# Altium PCB bms_mainboard-1_0.PcbDoc (part 4 of 7) (continued)
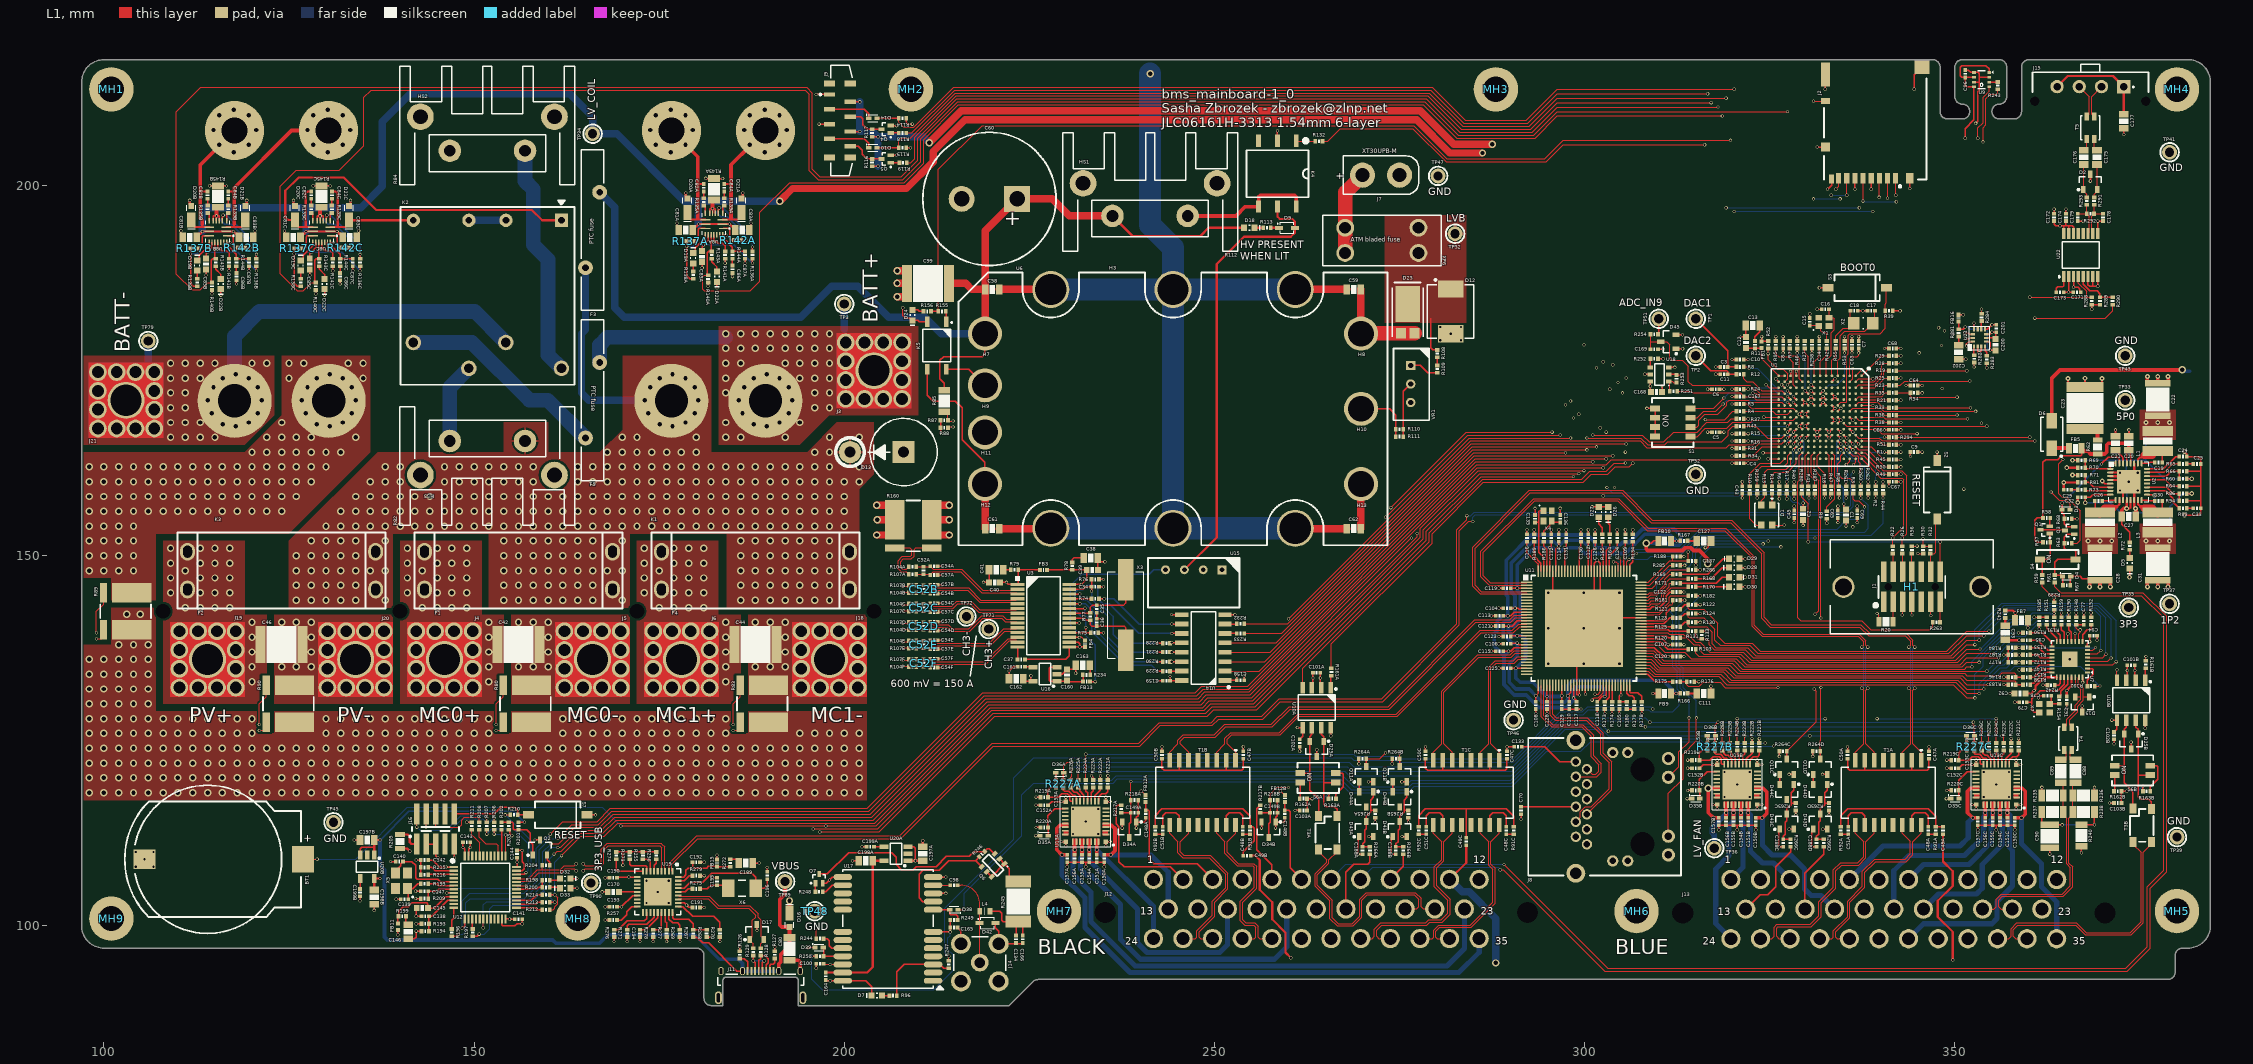
[diagram p0: L1 view]
## Nets (pads, with @x,y where several pads share a name; then routed paths per layer and width w, separated by ;. In a path a pad name is that pad's centre, name@x,y a point inside that pad or via, vN(x,y) a via of type N, cw(c..) or ccw(c..) an arc to the next point about the centre after c; other vN are vias at no path point) (continued)
  L1 w0.203: v1(329.5,154.1) C2.2@329.5,154.85
  L1 w0.3: v1(111.6,198) 111.6,197.45 D20B.2@111.8,197.25 ; D21B.2@119.1,197.25 119.3,197.45 v1(119.3,198) ; v1(125.6,198) 125.6,197.45 D20C.2@125.8,197.25 ; D21C.2@133.1,197.25 133.3,197.45 v1(133.3,198) ; v1(133.8,111.6) C197B.2@134.6,111.6 ; v1(178.6,199) 178.6,198.45 D20A.2@178.8,198.25 ; D21A.2@186.1,198.25 186.3,198.45 v1(186.3,199) ; C197A.2@210.6,110.7 v1(210.6,111.5) ; C153A.2@228.6,119.7 D36A.1@228.6,120.65 ; C153B.2@316.6,124.7 v1(316.6,125.175) ; v1(317.048,132.389) 317.05,132.388 C111.2@317.05,131.4 ; C153C.2@351.6,124.7 v1(351.6,125.175) ; C93.2@356.8,138.65 356.85,138.6 v1(358.7,138.6) ; R239.2@363.4,143.7 v1(363.4,144.3) ; C29.2@364.7,158.9 v3(364.7,159.9) R81.1@366.6,159.9 ; v3(365.1,161.9) R70.1@366.6,161.9 ; C23.2@365.275,172.775 v3(365.275,173.95) ; v3(366.6,157.2) C32.2@366.6,157.9 ; C23.2@367.575,172.8 v3(367.575,173.975) ; v1(368.3,200.6) D2.3@368.3,201.525 ; C23.2@369.875,172.775 v3(369.875,173.95) ; U2.4@371,160.25 U2.EP@372.083,160.25 ; U2.3@371,160.75 U2.EP@372.083,160.75 ; U2.2@371,161.25 U2.EP@372.083,161.25 ; C21.2@371.7,166.15 v1(371.7,167) ; U2.11@372.725,157.525 U2.EP@372.725,158.608 ; C20.2@373.5,166.15 v1(373.5,167) ; U2.EP@374.225,158.608 U2.14@374.225,157.525 374.225,156.681 374.4,156.506 v3(374.4,156.4) ; U2.EP@374.225,161.411 U2.27@374.225,162.475
  L1 w0.5: C80.2@192.6,95.35 193.85,95.35 194.05,95.15 J11.GND@194.05,93.9 ; v3(368.2,145.8) C28.2@368.2,146.7 ; v3(369.6,145.8) C28.2@369.6,146.7 ; v3(371,145.8) C28.2@371,146.7 ; v3(374.4,156.4) 374.45,156.35 C27.2@374.45,155.3 ; v3(376,145.8) C31.2@376,146.7 ; C22.2@376,173.3 v3(376,174.2) ; v3(377.4,145.8) C31.2@377.4,146.7 ; C22.2@377.4,173.3 v3(377.4,174.2) ; v3(378.8,145.8) C31.2@378.8,146.7 ; C22.2@378.8,173.3 v3(378.8,174.2)
  L1 w1: C62.2@269.75,153.669 269.75,159.63 H13.1@269.8,159.68
  other v1: 173.3,103.1 176.3,103.1 174.8,104.6 173.3,106.1 176.3,106.1 104.3,108 106.7,108 105.5,109 104.3,110 106.7,110 368.85,118.718 228.6,120.175 280.5,179.1 283.3,179.1 281.9,179.975 280.5,180.9 283.3,180.9
  other v3: 372.3,158.8 374.7,158.8 373.475,160 372.3,161.2 374.7,161.2
  other v4: 295.1,135.4 299.9,135.4 304.7,135.4 365.5,136 295.1,140.2 299.9,140.2 304.7,140.2 295.1,145 299.9,145 304.7,145
GNSS_nRST_1: D38.2 R259.1 | length 159.9
  L1 w0.15: D38.2@215.35,102.2 v1(216.2,102.2) ; v1(323.3,157.8) R259.1@323.3,158.4
  L3 w0.15: v1(323.3,157.8) 323.3,126.7 324.4,125.6 v1(324.4,124.7)
  L6 w0.15: v1(216.2,102.2) 216.2,104.4 224,112.2 224,117.7 225.6,119.3 236.3,119.3 236.9,119.9 267,119.9 268.5,118.4 275.9,118.4 276.8,119.3 290.1,119.3 297.4,126.6 301.7,126.6 303,125.3 315.5,125.3 316.1,124.7 v1(324.4,124.7)
GNSS_RF: C98.1 U17.11 | length 2.3
  L1 w0.156: U17.11@212,105.5 C98.1@214.3,105.5
GNSS_RF_BIASED: C98.2 D42.2 J14.1 L4.2 | length 12.4
  L1 w0.156: C98.2@215.3,105.5 215.76,105.5 cw(c215.76,102.96) 218.3,102.96 J14.1@218.3,95.05
HIGHSIDE_CONTACTOR_1: R15.1 R140A.2 R143A.1 U8A.15 | length 211.3
  L1 w0.15: R140A.2@181.6,187.9 181.1,187.9 180.9,187.7 180.9,186 181.1,185.8 187.3,185.8 188.6,187.1 188.6,196.4 192.6,200.4 208.1,200.4 210.7,203 210.7,206.2 215.4,210.9 278.2,210.9 282.7,206.4 293.3,206.4 296.3,209.4 v1@318.7,209.4 ; v1(319.9,166.5) R15.1@320.5,166.5
  L1 w0.2: R140A.2@181.6,187.9 181.476,188.024 181.476,190.903 181.673,191.1 R143A.1@182.1,191.1 182,191.2 U8A.15@182,193.35
  L3 w0.15: v1(318.6,209.4) 318.6,196.6 319.2,196 319.2,167.2 v1(319.9,166.5)
HV_3_P: D13.2 F1.1 F2.1 F3.1 F4.1 K1.3 R82.2 | length 29.7
  L6 w1: F3.1@165.05,188.9 165.05,180.55 164.5,180 164.5,172 165.5,171 176.581,171 K1.3@176.65,170.931
  other v2: 126,144 128,144 130,144 132,144 134,144 138,144 154,144 156,144 158,144 160,144 162,144 164,144 166,144 170,144 186,144 188,144 190,144 192,144 194,144 196,144 198,144 126,146 128,146 130,146 132,146 134,146 154,146 156,146 158,146 160,146 162,146 164,146 166,146 186,146 188,146 190,146 192,146 194,146 196,146 198,146 126,148 128,148 130,148 132,148 134,148 136,148 138,148 154,148 156,148 158,148 160,148 162,148 164,148 166,148 168,148 170,148 186,148 188,148 190,148 192,148 194,148 196,148 198,148 200,148 126,150 128,150 130,150 132,150 134,150 154,150 156,150 158,150 160,150 162,150 164,150 166,150 186,150 188,150 190,150 192,150 194,150 196,150 198,150 128,152 130,152 132,152 134,152 138,152 154,152 156,152 158,152 160,152 162,152 164,152 166,152 170,152 186,152 188,152 190,152 192,152 194,152 196,152 198,152 130,154 132,154 134,154 136,154 138,154 140,154 142,154 144,154 146,154 148,154 150,154 152,154 154,154 156,154 158,154 160,154 162,154 164,154 166,154 168,154 170,154 172,154 174,154 176,154 178,154 180,154 182,154 184,154 186,154 188,154 190,154 192,154 194,154 196,154 198,154 200,154 132,156 134,156 136,156 138,156 140,156 142,156 144,156 146,156 148,156 150,156 152,156 154,156 156,156 158,156 160,156 162,156 164,156 166,156 168,156 170,156 172,156 174,156 176,156 178,156 180,156 182,156 184,156 186,156 188,156 190,156 192,156 194,156 196,156 198,156 200,156 134,158 136,158 138,158 140,158 142,158 144,158 146,158 148,158 150,158 152,158 154,158 156,158 158,158 160,158 162,158 164,158 166,158 168,158 170,158 172,158 174,158 176,158 178,158 180,158 182,158 184,158 186,158 188,158 190,158 192,158 194,158 196,158 198,158 200,158 136,160 138,160 140,160 146,160 148,160 150,160 152,160 154,160 156,160 158,160 164,160 166,160 168,160 170,160 172,160 174,160 176,160 178,160 180,160 182,160 184,160 186,160 188,160 190,160 192,160 194,160 196,160 198,160 200,160 202,160 138,162 140,162 146,162 148,162 150,162 152,162 154,162 156,162 158,162 164,162 166,162 168,162 170,162 172,162 174,162 176,162 178,162 180,162 182,162 184,162 186,162 188,162 190,162 192,162 194,162 196,162 198,162 202,162 168,164 170,164 172,164 174,164 176,164 178,164 180,164 196,164 198,164 170,166 172,166 180,166 198,166 202,166
HV_ARRAY_3_N: C46.2 J20.0 R90.1
  other v2: 124,135 126,135 128,135 124,137 128,137 124,139 128,139 124,141 126,141 128,141
HV_ARRAY_3_P: C46.1 F2.2 J19.0
  other v2: 120,133 120,135 120,137 120,139 120,141 111,143 113,143 115,143 117,143 109,145 113,145 115,145 117,145 109,147 113,147 115,147 117,147 111,148 109,149 113,149 115,149 117,149 109,151 113,151 115,151 117,151
HV_DCDC_EN_1: R5.1 R155.2 R156.1 | length 169.2
  L1 w0.15: R155.2@212.7,183 212.7,202.2 218.6,208.1 276.9,208.1 281.4,203.6 294.6,203.6 297.1,206.1 v1(319.7,206.1) ; v1(319.9,170.5) R5.1@320.5,170.5
  L1 w0.203: R156.1@211.7,183 R155.2@212.7,183
  L3 w0.15: v1(319.7,206.1) 319.7,177.4 320.3,176.8 320.3,170.9 v1(319.9,170.5)
HV_MC0_3_N: C42.2 J5.0 R80.1
  other v2: 156,135 158,135 160,135 156,137 160,137 156,139 160,139 156,141 158,141 160,141
HV_MC0_3_P: C42.1 F1.2 J4.0
  other v2: 152,133 152,135 152,137 152,139 152,141 143,143 145,143 147,143 149,143 141,145 145,145 147,145 149,145 141,147 145,147 147,147 149,147 143,148 141,149 145,149 147,149 149,149 141,151 145,151 147,151 149,151
HV_MC1_3_N: C44.2 J18.0 R83.1
  other v2: 188,135 190,135 192,135 188,137 192,137 188,139 192,139 188,141 190,141 192,141
HV_MC1_3_P: C44.1 F4.2 J6.0
  other v2: 184,133 184,135 184,137 184,139 184,141 175,143 177,143 179,143 181,143 173,145 177,145 179,145 181,145 173,147 177,147 179,147 181,147 175,148 173,149 177,149 179,149 181,149 173,151 177,151 179,151 181,151
HV_MEAS_3: K3.4 R89.1
  other v2: 98,148 100,148 102,148 104,148 98,150 100,150 102,150 104,150 98,152 100,152 102,152 104,152 98,154 100,154 102,154 104,154 98,156 100,156 102,156 104,156 106,156 108,156 110,156 112,156 114,156 116,156 118,156 120,156 122,156 124,156 98,158 100,158 102,158 104,158 106,158 108,158 110,158 112,158 114,158 116,158 118,158 120,158 122,158 124,158 126,158 98,160 100,160 102,160 104,160 106,160 108,160 110,160 112,160 114,160 116,160 118,160 120,160 122,160 124,160 126,160 128,160 98,162 100,162 102,162 104,162 106,162 108,162 110,162 112,162 114,162 116,162 118,162 120,162 122,162 124,162 126,162 128,162 130,162 120,164 122,164 124,164 126,164 128,164 130,164 132,164 122,166 124,166 126,166 128,166 134,166 124,168 125,174 135,174 125,176 127,176 133,176 135,176
HV_N: C34.2 C35.2 C36.2 C38.2 C39.2 C159.2 C160.2 C161.2 C162.2 C163.2 D9.1 D13.1 FB4.1 K4.5 R80.2 R83.2 R84.2 R87.2 R88.2 R89.2 R90.2 R160.1 U3.17 U3.20 U14.9 U15.3 U16.2 | length 178.4
  L1 w0.2: v1(213,166.6) R88.2@213,167.3 R87.2@213,168.3 ; C162.2@222.25,133.4 v1(222.251,134.435) v1(222.251,134.435) 222.816,135 C161.2@223.4,135 ; U16.2@228.71,134 229.45,134 C160.2@230.1,134.65 231.237,134.65 231.25,134.663 C163.2@231.25,135.2 231.25,134.126 v1(231.242,134.118) ; C35.2@234.1,142.3 C36.2@234.1,141.5 v1(234.8,141.5) ; v1(244.192,142.054) 244.201,142.045 U14.9@245.579,142.045
  L1 w0.203: U3.17@230.4,138.975 231.738,138.975 v1(231.752,138.961) 232.089,138.961 FB4.1@232.5,138.55 ; U3.20@230.4,140.925 231.745,140.925 v1(231.749,140.921) ; C39.2@234.25,148.1 C38.2@234.25,149.7 234.25,149.2 v1(235.2,149.2) ; C34.2@234.4,145.8 v1(235,145.8) ; v1(242.3,133.1) C159.2@243,133.1
  L1 w0.3: U15.3@245.93,148.1 250.3,152.47 250.3,189.4 254,193.1 260.3,193.1 260.87,193.67 D9.1@260.87,194.3 260.87,195.13 260.5,195.5 258.8,195.5 258.5,195.8 K4.5@258.5,197.155
  L1 w1: v2(204.4,152.8) R160.1@206.75,152.8 ; v2(204.4,156.8) R160.1@206.75,156.8 ; v2(204.45,154.85) R160.1@206.8,154.85
  L3 w2: 104,143.5 106.5,146 106.5,152.1 107.9,153.5 126,153.5 138,165.5 138,178.8 145,185.8 145,197.5 146.72,199.22 R84.2@146.72,204.7
  L3 w3: 104,142 104,143.5
  other v2: 98,118 100,118 102,118 104,118 106,118 108,118 110,118 112,118 114,118 116,118 118,118 120,118 122,118 124,118 126,118 128,118 130,118 132,118 134,118 136,118 138,118 140,118 142,118 144,118 146,118 148,118 150,118 152,118 154,118 156,118 158,118 160,118 162,118 164,118 166,118 168,118 170,118 172,118 174,118 176,118 178,118 180,118 182,118 184,118 186,118 188,118 190,118 192,118 194,118 196,118 198,118 200,118 202,118 98,120 100,120 102,120 104,120 106,120 108,120 110,120 112,120 114,120 116,120 118,120 120,120 122,120 124,120 126,120 128,120 130,120 132,120 134,120 136,120 138,120 140,120 142,120 144,120 146,120 148,120 150,120 152,120 154,120 156,120 158,120 160,120 162,120 164,120 166,120 168,120 170,120 172,120 174,120 176,120 178,120 180,120 182,120 184,120 186,120 188,120 190,120 192,120 194,120 196,120 198,120 200,120 202,120 98,122 100,122 102,122 104,122 106,122 108,122 110,122 112,122 114,122 116,122 118,122 120,122 122,122 124,122 126,122 128,122 130,122 132,122 134,122 136,122 138,122 140,122 142,122 144,122 146,122 148,122 150,122 152,122 154,122 156,122 158,122 160,122 162,122 164,122 166,122 168,122 170,122 172,122 174,122 176,122 178,122 180,122 182,122 184,122 186,122 188,122 190,122 192,122 194,122 196,122 198,122 200,122 202,122 98,124 100,124 102,124 104,124 106,124 108,124 110,124 112,124 114,124 116,124 118,124 120,124 122,124 124,124 126,124 128,124 130,124 132,124 134,124 136,124 138,124 140,124 142,124 144,124 146,124 148,124 150,124 152,124 154,124 156,124 158,124 160,124 162,124 164,124 166,124 168,124 170,124 172,124 174,124 176,124 178,124 180,124 182,124 184,124 186,124 188,124 190,124 192,124 194,124 196,124 198,124 200,124 202,124 98,126 100,126 102,126 104,126 106,126 108,126 110,126 112,126 114,126 116,126 118,126 120,126 130,126 132,126 134,126 136,126 138,126 140,126 142,126 144,126 146,126 148,126 150,126 152,126 162,126 164,126 166,126 168,126 170,126 172,126 174,126 176,126 178,126 180,126 182,126 184,126 194,126 196,126 198,126 200,126 202,126 98,128 100,128 102,128 104,128 106,128 108,128 110,128 112,128 114,128 116,128 118,128 120,128 130,128 132,128 134,128 136,128 138,128 140,128 142,128 144,128 146,128 148,128 150,128 152,128 162,128 164,128 166,128 168,128 170,128 172,128 174,128 176,128 178,128 180,128 182,128 184,128 98,130 100,130 102,130 104,130 106,130 98,132 100,132 102,132 104,132 106,132 98,134 100,134 102,134 104,134 106,134 98,136 100,136 102,136 104,136 106,136 102,138 104,138 106,138 103.1,142.1 104.9,142.1
HV_nBLEED_1: R4.1 R132.2 | length 96.9
  L1 w0.15: R132.2@264.6,206 265.3,206 267,207.7 276.8,207.7 281.3,203.2 294.8,203.2 297.1,205.5 v1(316.2,205.5) ; v1(316.3,168.4) 318.9,168.4 320,169.5 R4.1@320.5,169.5
  L3 w0.15: v1(316.2,205.5) 316.2,169.1 316.3,169 v1(316.3,168.4)
HV_P: C58.1 C60.1 C99.1 D18.2 F3.2 H7.1 R85.1 R112.2 | length 143.3
  L1 w0.2: R85.1@213.5,172.35 213.5,173.3 212.9,173.9 212.9,176.4 213.4,176.9 218.6,176.9 219,177.3 H7.1@219,180
  L1 w0.3: R112.2@236.22,195.9 238.92,193.2 248.1,193.2 249.2,194.3 D18.2@254,194.3
  L1 w1: C99.1@214.125,186.8 216.4,186.8 217.231,185.969 C58.1@219.05,185.969 ; H7.1@219,180 219.05,180.05 C58.1@219.05,185.969 ; R112.2@236.22,195.9 230.4,195.9 228.1,198.2 C60.1@223.35,198.2 219.05,193.9 C58.1@219.05,185.969
  L6 w1: F3.2@166.95,199.1 169,197.05 169,183.5 170.3,182.2 194.1,182.2 198.3,186.4 201.8,186.4 206,182.2 210.9,182.2 213.1,180 H7.1@219,180
HV_RAW_RETURN_3: J21.0 K2.6 K3.3 TP79.1 | length 51.5
  L6 w1: 106,176 TP79.1@106,179
  L6 w2: K3.3@117.65,170.931 117.65,179.65 121,183 150.1,183 K2.6@154.3,178.8
  other v2: 109,166 111,166 113,166 115,166 109,168 111,168 113,168 109,170 111,170 109,172 111,172 109,174 111,174 113,174 109,176 111,176 113,176 115,176 120,176 122,176
HV_RAW_SUPPLY_3: F5.1 J3.0 K1.4 TP3.1 | length 23.2
  L6 w1: 200,180.6 TP3.1@200,184
  L6 w2: F5.1@166.95,176.1 166.95,178.45 168,179.5 184,179.5
  other v2: 184,166 186,166 192,166 184,168 194,168 196,170 198,170 184,172 196,172 198,172 184,174 194,174 196,174 198,174 184,176 186,176 192,176 194,176 196,176 198,176 184,178 186,178 188,178 190,178 192,178 194,178 196,178 198,178 184,180 186,180 188,180 190,180 192,180 194,180 196,180 198,180
HV_VS._1_N: R88.1 R107B.2 | length 27.8
  L1 w0.123: v1(207.9,145.9) 208.6,145.9 R107B.2@208.7,146 ; R88.1@214,167.3 214.1,167.4 v1(214.7,167.4)
  L3 w0.123: v1(207.9,145.9) 208.138,145.662 208.488,145.662 208.9,146.074 208.9,160.2 215.4,166.7 215.4,167.5 215.262,167.638 214.938,167.638 v1(214.7,167.4)
HV_VS._1_P: R85.2 R87.1 R104B.2 | length 29.8
  L1 w0.123: v1(207.9,145.1) 208.6,145.1 R104B.2@208.7,145 ; R85.2@214,169.2 R87.1@214,168.3 214.1,168.2 v1(214.7,168.2)
  L3 w0.123: v1(207.9,145.1) 208.138,145.338 208.621,145.338 209.223,145.94 209.223,160.066 215.723,166.566 215.723,167.634 215.395,167.962 214.938,167.962 v1(214.7,168.2)
I2C1.SCL_1: R36.1 U9.4 | length 55.6
  L1 w0.15: R36.1@342.1,169 v1(350.3,169) ; v1(353.1,206.4) 353.1,207.8 353.8,208.5 353.8,211.9 354.625,212.725 U9.4@354.625,213.325
  L3 w0.15: v1(350.3,169) 350.3,170.7 349.9,171.1 349.9,175.4 349,176.3 349,183.9 353.4,188.3 353.4,205.4 353.1,205.7 v1(353.1,206.4)
I2C1.SDA_1: R35.1 R54.1 R243.1 | length 53.8
  L1 w0.15: R35.1@342.1,172 R54.1@344,172 344,171.6 344.2,171.4 v1(350.3,171.4) ; v1(353.8,205.9) 353.8,207.8 354.2,208.2 354.2,211.7 354.8,212.3 355.6,212.3 355.8,212.5 R243.1@355.8,213
  L3 w0.15: v1(350.3,171.4) 350.3,175.6 349.4,176.5 349.4,183.7 353.8,188.1 v1(353.8,205.9)
IMU_INT1_1: R283.1 U1.D9 | length 28
  L1 w0.15: U1.D9@335,167.9 335.4,167.5 v1(354.3,167.5) ; v1(354.3,175.4) R283.1@354.3,176
  L3 w0.15: v1(354.3,167.5) v1(354.3,175.4)
IMU_INT2_1: R284.2 U1.C8 | length 34.6
  L1 w0.15: R284.2@353.6,182.7 v1(353.6,183.3)
  L1 w0.2: U1.C8@335.8,168.7 v1(336.2,168.3)
  L3 w0.15: v1(353.6,167.9) 353.6,176.7 353.8,176.9 353.8,182.5 353.6,182.7 v1(353.6,183.3)
  L4 w0.15: v1(336.2,168.3) 337,167.5 353.2,167.5 v1(353.6,167.9)
ISOUART._1_N: C179.1 R292.1 R293.1 U22.11 | length 5.3
  L1 w0.123: C179.1@366.6,196.2 R292.1@367.8,196.2 ; R293.1@367.8,197.4 R292.1@367.8,196.2 ; U22.11@367.975,193.5 368.138,193.663 368.138,195.862 R292.1@367.8,196.2
ISOUART._1_P: C178.1 R291.1 R292.2 U22.10 | length 5.3
  L1 w0.123: U22.10@368.625,193.5 368.462,193.663 368.462,194.6 368.462,195.862 R292.2@368.8,196.2 ; R291.1@368.8,197.4 R292.2@368.8,196.2 ; C178.1@370,196.2 R292.2@368.8,196.2
LED0_2: R10.2 U1.P15 | length 7.2
  L1 w0.15: R10.2@322.3,159.4 322.3,161.1 323.7,162.5 326.4,162.5 U1.P15@327,163.1
LED1_0: R164.2 U11.105 | length 4.2
  L1 w0.2: U11.105@302.9,147.9 302.9,150.7 303.4,151.2 R164.2@303.4,151.9
LED1_1: R165.2 U11.106 | length 4
  L1 w0.2: R165.2@302.4,151.9 302.4,150.8 302.5,150.7 U11.106@302.5,147.9
LED1_2: R13.2 U1.N15 | length 6.6
  L1 w0.15: R13.2@324.3,159.4 324.3,161.3 324.7,161.7 327.2,161.7 327.8,162.3 U1.N15@327.8,163.1
LED2_0: R168.2 U11.91 | length 7.7
  L1 w0.15: U11.91@307.6,144.4 308.6,144.4 308.9,144.7 309.8,144.7 311.1,146 311.1,146.5 311.5,146.9 R168.2@314,146.9
LED2_1: R169.2 U11.92 | length 5.8
  L1 w0.15: U11.92@307.6,144.8 308.6,144.8 308.8,145 309.7,145 310.8,146.1 310.8,146.8 311.5,147.5 R169.2@311.9,147.5
LED2_2: R14.2 U1.M15 | length 6.1
  L1 w0.15: R14.2@325.3,159.4 325.3,160.9 325.7,161.3 327.4,161.3 328.6,162.5 U1.M15@328.6,163.1
LED3_0: R170.2 U11.88 | length 7.8
  L1 w0.15: U11.88@307.6,143.2 308.7,143.2 309,143.5 310.1,143.5 310.7,144.1 310.7,144.7 311.7,145.7 313.9,145.7 R170.2@314,145.8
LED3_1: R171.2 U11.89 | length 5.9
  L1 w0.15: U11.89@307.6,143.6 308.7,143.6 309,143.9 309.9,143.9 310.4,144.4 310.4,144.8 311.4,145.8 311.4,146.2 311.5,146.3 R171.2@311.9,146.3
LED4_0: R181.1 U11.85 | length 5.4
  L1 w0.15: U11.85@307.6,142 310.1,142 311.5,143.4 311.8,143.4 311.9,143.5 R181.1@311.9,144
LED4_1: R182.1 U11.86 | length 7.7
  L1 w0.15: U11.86@307.6,142.4 310.1,142.4 311.4,143.7 311.4,144.4 311.6,144.6 R182.1@314,144.6
LOWSIDE_CONTACTOR_1: R16.1 R140B.2 R143B.1 U8B.15 | length 311.1
  L1 w0.15: R140B.2@114.6,186.9 114,186.9 113,185.9 111.9,185.9 109.8,188 109.8,210 113.1,213.3 194.9,213.3 195.7,212.5 195.7,202.2 196.7,201.2 207.7,201.2 209.9,203.4 209.9,206.4 215.2,211.7 278.6,211.7 283.1,207.2 292.9,207.2 296.3,210.6 v1(318,210.6) ; v1(319.9,165.5) R16.1@320.5,165.5
  L1 w0.2: R140B.2@114.6,186.9 114.476,187.024 114.476,189.903 114.673,190.1 R143B.1@115.1,190.1 115,190.2 U8B.15@115,192.35
  L3 w0.15: v1(318,210.6) 318,196.4 318.3,196.1 318.3,166.3 319.1,165.5 v1(319.9,165.5)